# Altium PCB PCB_V2.2.PcbDoc
Units mil, origin at the board's own origin, x right, y up, seen from the top; angles counter-clockwise.
Board outline 2362.2 x 3149.61 mil, 2 copper layers (Top Layer, Bottom Layer); 72 components, 29 nets, 193 pads, 477 vias.
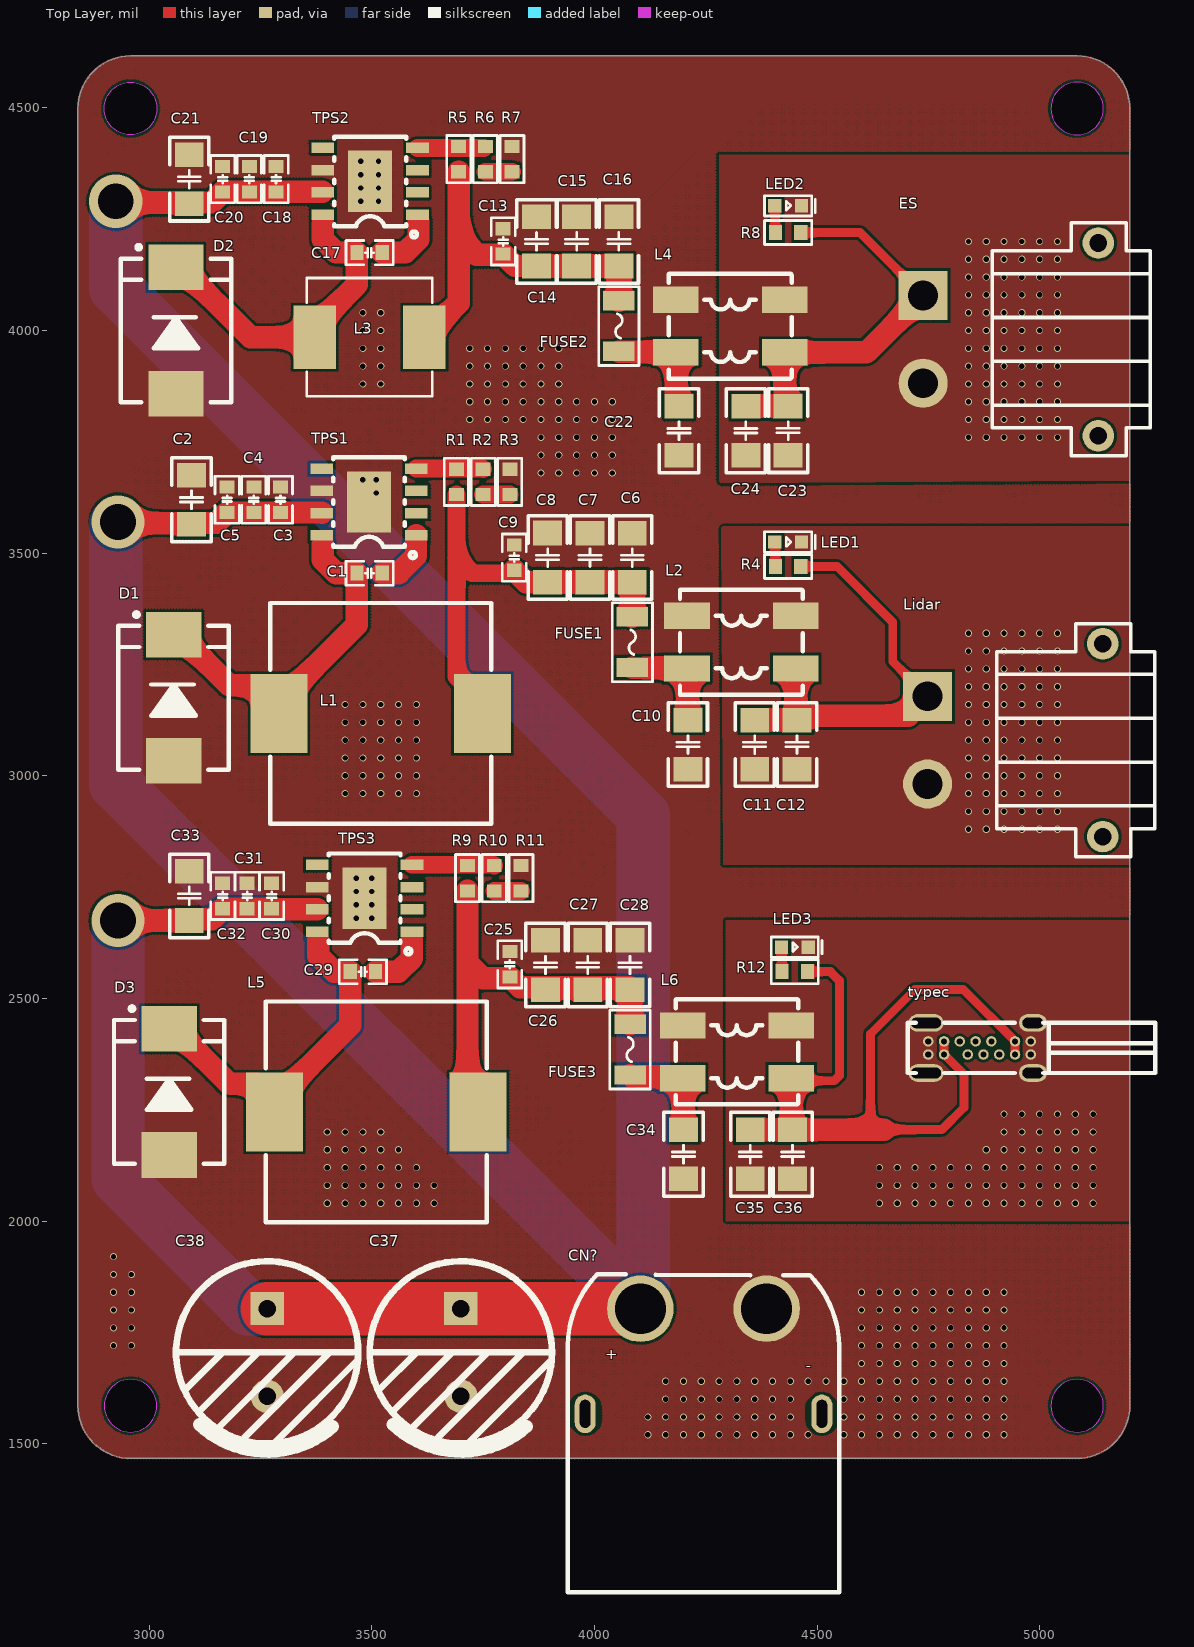
[diagram p0: Top Layer view]
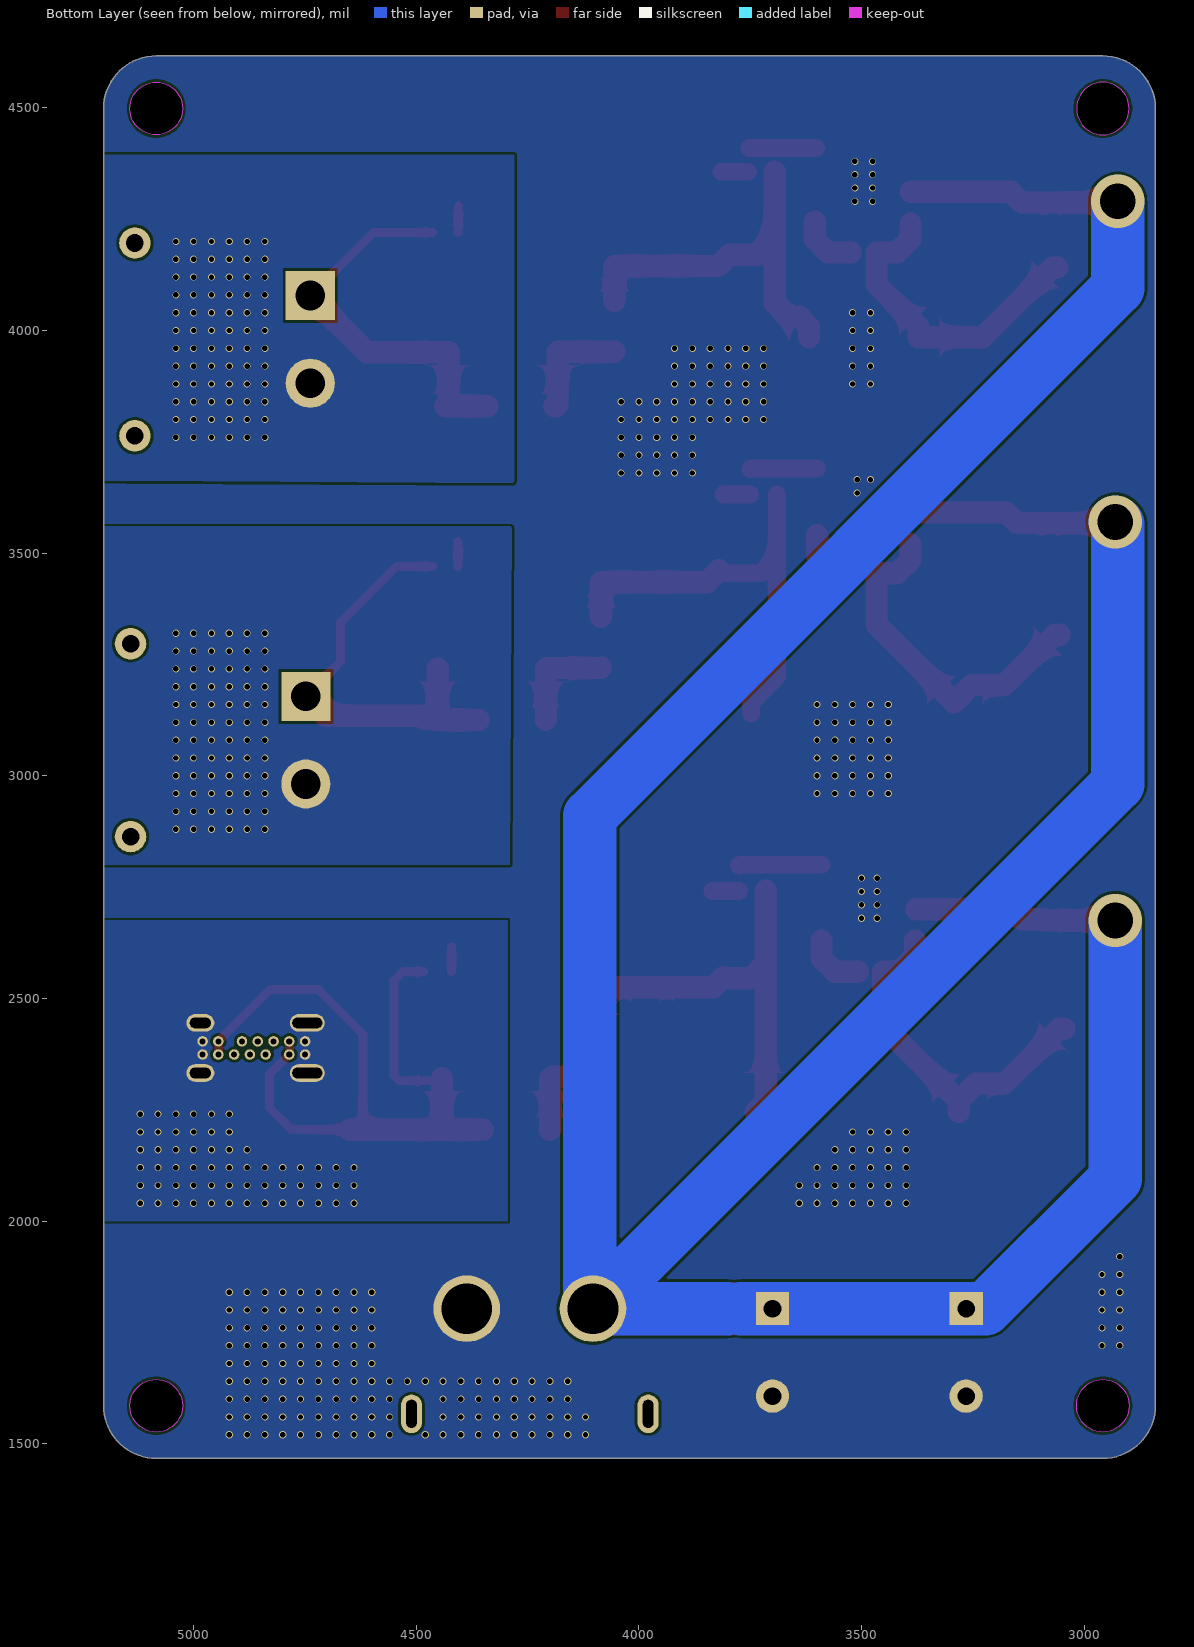
[diagram p1: Bottom Layer view, seen from below]

## Layer stack, top to bottom
Top Solder: solder mask 0.4, Solder Resist, Dk 3.5
Top Layer: signal copper 1.4
Dielectric 1: dielectric 12.6, FR-4, Dk 4.8
Bottom Layer: signal copper 1.4
Bottom Solder: solder mask 0.4, Solder Resist, Dk 3.5

## Board outline
2840.03,1585.15 2840.03,4498.54 cw(c2958.14,4498.54) 2958.15,4616.65 5084.13,4616.65 cw(c5084.13,4498.54) 5202.24,4498.54 5202.24,1585.15 cw(c5084.13,1585.15) 5084.13,1467.04 2958.14,1467.04 cw(c2958.14,1585.15)
cut-out: 5025.07,1585.15 ccw(c5084.13,1585.15) 5084.13,1526.09 ccw(c5084.13,1585.15) 5143.18,1585.15 ccw(c5084.13,1585.15) 5084.13,1644.2 ccw(c5084.13,1585.15)
cut-out: 2899.09,1585.15 ccw(c2958.14,1585.15) 2958.14,1526.09 ccw(c2958.14,1585.15) 3017.2,1585.15 ccw(c2958.14,1585.15) 2958.14,1644.2 ccw(c2958.14,1585.15)
cut-out: 5025.07,4498.54 ccw(c5084.13,4498.54) 5084.13,4439.48 ccw(c5084.13,4498.54) 5143.18,4498.54 ccw(c5084.13,4498.54) 5084.13,4557.59 ccw(c5084.13,4498.54)
cut-out: 2958.14,4439.48 cw(c2958.14,4498.54) 2899.09,4498.54 cw(c2958.14,4498.54) 2958.14,4557.59 cw(c2958.14,4498.54) 3017.2,4498.54 cw(c2958.14,4498.54)

## Design rules (kind name [scope] priority, off if disabled: settings)
Clearance [All] p1: gap=6 ignorepadtopadclearanceinfootprint=FALSE
PlaneConnect [All] p1: planeconnectstyle=Direct reliefexpansion=20 reliefentries=4 reliefconductorwidth=10 reliefairgap=10
PolygonConnect [All] p1: connectstyle=Direct reliefconductorwidth=10 reliefentries=4 polygonreliefangle="90 Angle" airgapwidth=10
RoutingVias [All] p1: holewidth=12 width=50 viastyle="Through Hole" minholewidth=12 minwidth=16 maxholewidth=80 maxwidth=120
SolderMaskExpansion [All] p1: expansion=4 istentingtop=FALSE
Width [All] p1: maxlimit=150 minlimit=10 preferedwidth=40
29 further rules are at their usual default settings.

## Components (designator, comment, footprint, x,y, rotation, side; value= is the part's Value field where it differs from the comment)
C1 "10nF" C0603_L 3495,3455 r0 top
C2 "100uF" C1206_L 3095,3620 r270 top
C3 "4.7uF" C0603_L 3295,3620 r270 top
C4 "4.7uF" C0603_L 3235,3620 r270 top
C5 "0.01uF" C0603_L 3175,3620 r270 top
C6 "100uF" C1206_L 4085,3490 r90 top
C7 "100uF" C1206_L 3990,3490 r90 top
C8 "100uF" C1206_L 3895,3490.12 r90 top
C9 "0.01uF" C0603_L 3820,3490 r90 top
C10 "10uF/25V/1206" C1206_L 4210,3070 r90 top
C11 "22uF/25V/1206" C1206_L 4360,3070 r90 top
C12 "22uF/25V/1206" C1206_L 4455,3070 r90 top
C13 "0.01uF" C0603_L 3795,4200 r90 top
C14 "100uF" C1206_L 3870,4200 r90 top
C15 "100uF" C1206_L 3960,4200 r90 top
C16 "100uF" C1206_L 4055,4200 r90 top
C17 "10nF" C0603_L 3495,4175 r0 top
C18 "0.01uF" C0603_L 3285,4340 r270 top
C19 "4.7uF" C0603_L 3225,4340 r270 top
C20 "4.7uF" C0603_L 3165,4340 r270 top
C21 "100uF" C1206_L 3090,4340 r270 top
C22 "10uF/25V/1206" C1206_L 4190,3775 r90 top
C23 "22uF/25V/1206" C1206_L 4435,3775.12 r90 top
C24 "22uF/25V/1206" C1206_L 4340,3775 r90 top
C25 "0.01uF" C0603_L 3810,2576.46 r90 top
C26 "100uF" C1206_L 3890,2575 r90 top
C27 "100uF" C1206_L 3985,2575 r90 top
C28 "100uF" C1206_L 4080,2575 r90 top
C29 "10nF" C0603_L 3480,2560 r0 top
C30 "0.01uF" C0603_L 3275,2730 r270 top
C31 "4.7uF" C0603_L 3220,2730 r270 top
C32 "4.7uF" C0603_L 3165,2730 r270 top
C33 "100uF" C1206_L 3090,2730 r270 top
C34 "10uF/25V/1206" C1206_L 4200,2150 r90 top
C35 "22uF/25V/1206" C1206_L 4350,2150 r90 top
C36 "22uF/25V/1206" C1206_L 4445,2149.88 r90 top
C37 "470uF" "CT 5.0*10*13 - V" 3700,1705 r90 top
C38 "470uF" "CT 5.0*10*13 - R" 3265,1705 r90 top
CN? "XT60PW-M" XT60PW-M2 4245,1685 r90 top
D1 "B560C/700mv/5A" SMC 3055,3175 r270 top
D2 "B560C/700mv/5A" SMC 3060,4000 r270 top
D3 "B560C/700mv/5A" SMC 3045,2290 r270 top
ES "XT30-M" XT30PW-M 4935,3980 r270 top
FUSE1 "2A" F1206 4085,3300 r90 top
FUSE2 "2A" F1206 4055,4010 r90 top
FUSE3 "2A" F1206 4080,2385 r90 top
L1 "33uH" SMD_L13.8-W12.6 3520,3140 r180 top
L2 "ACM7060" L-SMD 4330,3300 r90 top
L3 "33uH" SMD_L7.0-W6.6 3495,3985 r0 top
L4 "ACM7060" L-SMD 4305,4010 r90 top
L5 "33uH" SMD_L13.8-W12.6 3510,2245 r180 top
L6 "ACM7060" L-SMD 4320,2380 r90 top
LED1 "绿色" LED0603_G 4435,3525 r0 top
LED2 "绿色" LED0603_G 4435,4280 r0 top
LED3 "绿色" LED0603_G 4450,2615 r0 top
Lidar "XT30-M" XT30PW-M 4945,3080 r270 top
R1 "10KΩ" R0603_L 3690,3660 r270 top
R2 "1.13KΩ" R0603_L 3750,3660 r270 top
R3 "0Ω" R0603_L 3810,3660 r90 top
R4 "10KΩ" R0603_L 4435,3470 r180 top
R5 "10KΩ" R0603_L 3695,4385 r270 top
R6 "1.13KΩ" R0603_L 3755,4385 r270 top
R7 "0Ω" R0603_L 3815,4385 r90 top
R8 "10KΩ" R0603_L 4435,4220 r180 top
R9 "10KΩ" R0603_L 3715,2770 r270 top
R10 "3.16KΩ" R0603_L 3775,2770 r270 top
R11 "0Ω" R0603_L 3835,2770 r90 top
R12 "10KΩ" R0603_L 4450,2560 r180 top
TPS1 "TPS5430DDAR" ESOP-8_L4.9-W3.9-P1.27-LS6.0-TL-EP 3493.7,3615 r180 top
TPS2 "TPS5430DDAR" ESOP-8_L4.9-W3.9-P1.27-LS6.0-TL-EP 3496.3,4335 r180 top
TPS3 "TPS5430DDAR" ESOP-8_L4.9-W3.9-P1.27-LS6.0-TL-EP 3483.7,2725 r180 top
typec "U264-141N-4BAC10" USB-C-Type-侧插 4864.92,2388.71 r270 top

## Footprints (in the part's own frame and the unit in brackets; to place one, negate y for a bottom-side part, rotate by r counter-clockwise, add the part's x,y. Pads: shape width x height; smd on the part's side, far side on the other; paste and mask are expansions set on the pad)
C0603_L [mm] "贴片MLCC电容"
  rect 0.75x0.85 smd: 1(-0.725,0) 2(0.725,0)
  silkscreen extent -1.35,-0.69 1.35,0.69, body extent -0.8,-0.4 0.8,0.4, height 0.8
C1206_L [mm] "贴片MLCC电容"
  rect 1.4x1.65 smd: 1(-1.4,0) 2(1.4,0)
  silkscreen extent -2.39,-1.12 2.39,1.12, body extent -1.6,-0.8 1.6,0.8, height 1.1
"CT 5.0*10*13 - R" [mm] "脚距5mm , 直径10mm , 高13mm"
  rect 1.9x1.9 hole 1: 1(2.5,0)
  round 1.9 hole 1: 2(-2.5,0)
  silkscreen extent -5.64,-5.2 5.2,5.2, body extent -5,-4.99 5,4.99, height 13.05
"CT 5.0*10*13 - V" [mm] "脚距5mm , 直径10mm , 高13mm"
  rect 1.9x1.9 hole 1: 1(2.5,0)
  round 1.9 hole 1: 2(-2.5,0)
  silkscreen extent -5.64,-5.2 5.2,5.2, body extent -5,-4.99 5,4.99, height 13.05
ESOP-8_L4.9-W3.9-P1.27-LS6.0-TL-EP [mm]
  rect 1.3x0.6 smd: 1(-2.7,1.905) 2(-2.7,0.635) 3(-2.7,-0.635) 4(-2.7,-1.905) 5(2.7,-1.905) 6(2.7,-0.635) 7(2.7,0.635) 8(2.7,1.905)
  rect 2.5x3.5 smd: 9(0,0)
  silkscreen extent -2.67,-2.55 2.05,3.2
F1206 [mm] "1206贴片自恢复保险丝(PPTC)   联系卖家 免费查找封装"
  rect 1.1x1.8 smd: 1(-1.445,0) 2(1.445,0)
  silkscreen extent -2.25,-1.15 2.25,1.15, body extent -1.6,-0.85 1.6,0.85, height 0.61
L-SMD [mm]
  rect 1.501x2.6 smd: 1(-1.5,-3.1) 2(1.5,-3.1) 3(1.5,3.1) 4(-1.5,3.1)
  silkscreen extent -3,-3.5 3,3.5
LED0603_G [mil] "绿色LED"
  rect 30x30 smd: 1(-30,0) 2(30,0)
  silkscreen extent -53,-23 61,23, body extent -31,-16 31,16, height 24
R0603_L [mm] "1/10W贴片电阻"
  rect 0.75x0.85 smd: 1(-0.725,0) 2(0.725,0)
  silkscreen extent -1.35,-0.69 1.35,0.69, body extent -0.8,-0.4 0.8,0.4, height 0.4
SMC [mm] "7.1x5.9*2.3mm（长宽高，不包括引脚）"
  rect 2.6x3.15 smd: 1(3.6,0) 2(-3.6,0)
  silkscreen extent -4.87,-3.15 4.1,3.15, body extent -3.95,-2.9 3.95,2.9, height 2.4
SMD_L7.0-W6.6 [mm]
  rect 2.424x3.62 smd: 1(3.128,0) 2(-3.128,0)
  silkscreen extent -3.58,-3.38 3.58,3.38
SMD_L13.8-W12.6 [mm]
  rect 3.25x4.5 smd: 1(-5.8,0) 2(5.8,0)
  silkscreen extent -6.3,-6.3 6.3,6.3
USB-C-Type-侧插 [mm] "侧插typec"
  round 0.6 hole 0.35: 1(0.375,2.925) 2(0.375,2.025) 3(0.375,1.125) 4(0.375,0.225) 5(0.375,-0.675) 6(0.375,-2.025) 7(0.375,-2.925) 8(-0.375,-2.925) 9(-0.375,-2.025) 10(-0.375,-1.125) 11(-0.375,-0.225) 12(-0.375,0.675) 13(-0.375,2.025) 14(-0.375,2.925)
  oval 1x1.6 hole 0.6 slot 1.2 at 90 deg: 15(-1.43,3.05) 16(1.43,3.05)
  oval 1x2 hole 0.6 slot 1.7 at 90 deg: 17(-1.43,-3.05) 18(1.43,-3.05)
  silkscreen extent -1.43,-4.1 1.43,10.03
XT30PW-M [mm] "TH, 4-Leads, Body 13.95x13.3mm"
  rect 2.8x2.8 hole 1.7: 1(-2.5,-5)
  round 2.8 hole 1.7: 2(2.5,-5)
  round 1.8 hole 1: MP1(-5.5,5) MP2(5.5,5)
  silkscreen extent -6.65,-1.05 6.65,7.95, body extent -6.65,-6 6.65,7.95, height 5.05
XT60PW-M2 [mm]
  round 3.8 hole 2.9 paste+0 mask+0.05: 1(3,-3.6) 2(3,3.6)
  oval 2.2x1.2 hole 0.6 slot 1.6 at 0 deg paste+0 mask+0.05: 3(-3,6.75) 4(-3,-6.75)
  silkscreen extent -13.17,-7.75 4.96,7.75

## Part data
C1 C2 C3 C4 C5 C6 C7 C8 C9 C10 C11 C12 C13 C14 C15 C16 C17 C18 C19 C20 C21 C22 C23 C24 C25 C26 C27 C28 C29 C30 C31 C32 C33 C34 C35 C36: library part C, "贴片电容/MLCC电容", BOM名称=无极性贴片电容, 联系下单店铺卖家 免费帮你查找封装="联系下单店铺卖家 免费技术指导"
C37 C38: library part cap_polarity, "Electrolytic Capacitor"
CN?: Colour=黄色, contact resistance=-, JLCPCB Part Class="Extended Part", LCSC Part Name="AMASS(艾迈斯)航模插头xt60连接器150公母对接pw锂电池公头 板插卧式XT60PW-M", Manufacturer=AMASS(艾迈斯), Add into BOM=yes, Belt length=-, Brand=艾迈斯, Convert to PCB=yes, Datasheet=https://atta.szlcsc.com/upload/public/pdf/source/20240118/44A3DCFF53BE25DC65378AFFB21277A4.pdf, Device=XT60PW-M, FlameRetardantGrade=-, Input=-, InsulationMaterial=-, Interface=-, InterfaceType=公头, Manufacturer Part=XT60PW-M, MaximumCurrent=-, MetalMaterial=-, Model=XT60PW-M, NumberOfUSBHoles=-, Output=-, Power=-, RatedCurrent=-, RatedVoltage=-, RecommendedWireGauge=-, Size=-, specifications=-, Supplier=LCSC, Supplier Footprint=-, Supplier Part=C98732, Symbol=XT60PW-M, Type=卧式插头, Type1=-
D1 D2 D3: library part 稳压二极管, "Zener Diode", 当前库版本V2024.8.30，下一版本发布时间2024年10月份 @淘宝卖家:黄晶宝石=最新版本发布网址https://item.taobao.com/item.htm?id=566775463719
ES Lidar: "XT30公头", 当前库版本V2024.5.31，下一版本发布时间2024年8月份 @淘宝卖家:黄晶宝石=最新版本发布网址https://item.taobao.com/item.htm?id=566775463719
FUSE1 FUSE2 FUSE3: library part "FUSE 1808", "1808保险座", BOM名称=1808保险座, 当前库版本V2024.8.30，下一版本发布时间2024年10月份 @淘宝卖家:黄晶宝石=最新版本发布网址https://item.taobao.com/item.htm?id=566775463719
L1 L3 L5: library part L, "贴片小功率电感", BOM名称=小功率贴片电感, 联系下单店铺卖家 免费帮你查找封装="联系下单店铺卖家 免费技术指导"
L2 L4 L6: "共模电感"
LED1 LED2 LED3: library part LED, "贴片LED", BOM名称=贴片LED, 封装库来自淘宝卖家：黄晶宝石=其他店铺购入均为盗版封装库，无更新权益，请立即申请退款，本店现金奖励200~1000元
R1 R2 R3 R4 R5 R6 R7 R8 R9 R10 R11 R12: library part R, "贴片电阻", BOM名称=贴片电阻, 联系下单店铺卖家 免费帮你查找封装="联系下单店铺卖家 免费技术指导"
TPS1 TPS2 TPS3: Input Voltage=5.5V~36V, JLCPCB Part Class="Basic Part", LCSC Part Name="降压 3A 36V", Manufacturer=TI(德州仪器), Operating Temperature=-40℃~+125℃@(TJ), Output Current (Max)=3A, Output Voltage=1.221V~32.04V, Switching Frequency=500kHz, Add into BOM=yes, Convert to PCB=yes, Datasheet=https://www.ti.com/cn/lit/gpn/tps5430, Device=TPS5430DDAR, Function=降压型, Manufacturer Part=TPS5430DDAR, Number of Outputs=1, Output Type=可调, Supplier=LCSC, Supplier Footprint=SOIC-8-EP, Supplier Part=C9864, Switch tube (built-in/external)=内置, Symbol=TPS5430DDAR, Synchronous Rectification=否, Topology=降压式
typec: library part USB3.0-type-c-侧插, Current Rating - Power (Max)=3A, JLCPCB Part Class="Extended Part", LCSC Part Name="Type-C 母 侧插", Manufacturer="XKB Connectivity(中国星坤)", Operating Temperature Range=-40℃~+85℃, Soldering Temperature(Max)=235℃, Add into BOM=yes, Connector Type=Type-C, Contact Material=铜合金, Contact Plating=金, Convert to PCB=yes, Datasheet=https://atta.szlcsc.com/upload/public/pdf/source/20211011/3C526B1D157DB714A375BD92771BEA39.pdf, Device=U264-141N-4BAC10, Gender=母, Manufacturer Part=U264-141N-4BAC10, Mounting Style=侧插, Number of Contacts=14P, Number of Ports=1, Standard="USB 3.1", Supplier=LCSC, Supplier Footprint=插件, Supplier Part=C692526, Symbol=U264-141N-4BAC10

## Via types
v1: diameter 16, hole 12, Top Layer to Bottom Layer, tented both sides, 445 vias
v2: diameter 16, hole 12, Top Layer to Bottom Layer, 29 vias
v3: diameter 120, hole 80, Top Layer to Bottom Layer, 3 vias

## Nets (pads, with @x,y where several pads share a name; then routed paths per layer and width w, separated by ;. In a path a pad name is that pad's centre, name@x,y a point inside that pad or via, vN(x,y) a via of type N, cw(c..) or ccw(c..) an arc to the next point about the centre after c; other vN are vias at no path point)
EGND: C23.1 C24.1 ES.2 L4.2 LED2.2
  other v1: 4840,3760 4880,3760 4920,3760 4960,3760 5000,3760 5040,3760 4840,3800 4880,3800 4920,3800 4960,3800 5000,3800 5040,3800 4840,3840 4880,3840 4920,3840 4960,3840 5000,3840 5040,3840 4840,3880 4880,3880 4920,3880 4960,3880 5000,3880 5040,3880 4840,3920 4880,3920 4920,3920 4960,3920 5000,3920 5040,3920 4840,3960 4880,3960 4920,3960 4960,3960 5000,3960 5040,3960 4840,4000 4880,4000 4920,4000 4960,4000 5000,4000 5040,4000 4840,4040 4880,4040 4920,4040 4960,4040 5000,4040 5040,4040 4840,4080 4880,4080 4920,4080 4960,4080 5000,4080 5040,4080 4840,4120 4880,4120 4920,4120 4960,4120 5000,4120 5040,4120 4840,4160 4880,4160 4920,4160 4960,4160 5000,4160 5040,4160 4840,4200 4880,4200 4920,4200 4960,4200 5000,4200 5040,4200
LGND: C11.1 C12.1 L2.2 LED1.2 Lidar.2
  other v1: 4840,2880 4880,2880 4920,2880 4960,2880 5000,2880 5040,2880 4840,2920 4880,2920 4920,2920 4960,2920 5000,2920 5040,2920 4840,2960 4880,2960 4920,2960 4960,2960 5000,2960 5040,2960 4840,3000 4880,3000 4920,3000 4960,3000 5000,3000 5040,3000 4840,3040 4880,3040 4920,3040 4960,3040 5000,3040 5040,3040 4840,3080 4880,3080 4920,3080 4960,3080 5000,3080 5040,3080 4840,3120 4880,3120 4920,3120 4960,3120 5000,3120 5040,3120 4840,3160 4880,3160 4920,3160 4960,3160 5000,3160 5040,3160 4840,3200 4880,3200 4920,3200 4960,3200 5000,3200 5040,3200 4840,3240 4880,3240 4920,3240 4960,3240 5000,3240 5040,3240 4840,3280 4880,3280 4920,3280 4960,3280 5000,3280 5040,3280 4840,3320 4880,3320 4920,3320 4960,3320 5000,3320 5040,3320
MGND: C2.1 C3.1 C4.1 C5.1 C6.2 C7.2 C8.2 C9.2 C10.1 C13.2 C14.2 C15.2 C16.2 C18.1 C19.1 C20.1 C21.1 C22.1 C25.2 C26.2 C27.2 C28.2 C30.1 C31.1 C32.1 C33.1 C34.1 C37.2 C38.2 CN?.1 D1.1 D2.1 D3.1 L2.3 L4.3 L6.3 R3.2 R7.2 R11.2 TPS1.6 TPS1.9 TPS2.6 TPS2.9 TPS3.6 TPS3.9
  other v1: 4120,1520 4160,1520 4200,1520 4240,1520 4280,1520 4320,1520 4360,1520 4400,1520 4440,1520 4480,1520 4560,1520 4600,1520 4640,1520 4680,1520 4720,1520 4760,1520 4800,1520 4840,1520 4880,1520 4920,1520 4120,1560 4160,1560 4200,1560 4240,1560 4280,1560 4320,1560 4360,1560 4400,1560 4440,1560 4560,1560 4600,1560 4640,1560 4680,1560 4720,1560 4760,1560 4800,1560 4840,1560 4880,1560 4920,1560 4160,1600 4200,1600 4240,1600 4280,1600 4320,1600 4360,1600 4400,1600 4440,1600 4560,1600 4600,1600 4640,1600 4680,1600 4720,1600 4760,1600 4800,1600 4840,1600 4880,1600 4920,1600 4160,1640 4200,1640 4240,1640 4280,1640 4320,1640 4360,1640 4400,1640 4440,1640 4480,1640 4520,1640 4560,1640 4600,1640 4640,1640 4680,1640 4720,1640 4760,1640 4800,1640 4840,1640 4880,1640 4920,1640 4600,1680 4640,1680 4680,1680 4720,1680 4760,1680 4800,1680 4840,1680 4880,1680 4920,1680 2920,1720 2960,1720 4600,1720 4640,1720 4680,1720 4720,1720 4760,1720 4800,1720 4840,1720 4880,1720 4920,1720 2920,1760 2960,1760 4600,1760 4640,1760 4680,1760 4720,1760 4760,1760 4800,1760 4840,1760 4880,1760 4920,1760 2920,1800 2960,1800 4600,1800 4640,1800 4680,1800 4720,1800 4760,1800 4800,1800 4840,1800 4880,1800 4920,1800 2920,1840 2960,1840 4600,1840 4640,1840 4680,1840 4720,1840 4760,1840 4800,1840 4840,1840 4880,1840 4920,1840 2920,1880 2960,1880 2920,1920 3400,2040 3440,2040 3480,2040 3520,2040 3560,2040 3600,2040 3640,2040 3400,2080 3440,2080 3480,2080 3520,2080 3560,2080 3600,2080 3640,2080 3400,2120 3440,2120 3480,2120 3520,2120 3560,2120 3600,2120 3400,2160 3440,2160 3480,2160 3520,2160 3560,2160 3400,2200 3440,2200 3480,2200 3520,2200 3440,2960 3480,2960 3520,2960 3560,2960 3600,2960 3440,3000 3480,3000 3520,3000 3560,3000 3600,3000 3440,3040 3480,3040 3520,3040 3560,3040 3600,3040 3440,3080 3480,3080 3520,3080 3560,3080 3600,3080 3440,3120 3480,3120 3520,3120 3560,3120 3600,3120 3440,3160 3480,3160 3520,3160 3560,3160 3600,3160 3880,3680 3920,3680 3960,3680 4000,3680 4040,3680 3880,3720 3920,3720 3960,3720 4000,3720 4040,3720 3880,3760 3920,3760 3960,3760 4000,3760 4040,3760 3720,3800 3760,3800 3800,3800 3840,3800 3880,3800 3920,3800 3960,3800 4000,3800 4040,3800 3720,3840 3760,3840 3800,3840 3840,3840 3880,3840 3920,3840 3960,3840 4000,3840 4040,3840 3720,3880 3760,3880 3800,3880 3840,3880 3880,3880 3920,3880 3720,3920 3760,3920 3800,3920 3840,3920 3880,3920 3920,3920 3720,3960 3760,3960 3800,3960 3840,3960 3880,3960 3920,3960
  other v2: 3465,2680 3500,2680 3465,2710 3500,2710 3465,2740 3500,2740 3465,2770 3500,2770 3510,3635 3480,3665 3510,3665 3480,3880 3520,3880 3480,3920 3520,3920 3480,3960 3520,3960 3480,4000 3520,4000 3480,4040 3520,4040 3475,4290 3515,4290 3475,4320 3515,4320 3475,4350 3515,4350 3475,4380 3515,4380
NetC1_1: C1.1 D1.2 L1.2 TPS1.8 | length 786.3
  Top Layer w50: D1.2 3065.83,3316.73 3178.98,3203.58 3252.68,3203.58 3291.65,3164.61 3466.46,3339.41 C1.1 3420,3455 3390,3485 3390,3520
NetC1_2: C1.2 TPS1.1 | length 138.2
  Top Layer w50: C1.2 3560.36,3455 3599.41,3494.04 3599.41,3539.41 TPS1.1
NetC6_1: C6.1 C7.1 C8.1 C9.1 FUSE1.2 L1.1 R1.2 | length 1016.8
  Top Layer w40: R1.2 3690,3490 ; L1.1 3748.35,3164.61 3690,3222.95 3690,3490 ; C9.1 3813.54,3455 3725,3455 3690,3490
  Top Layer w50: C9.1 3846.57,3434.88 C7.1 C6.1 FUSE1.2
NetC10_2: C10.2 FUSE1.1 L2.4 | length 240.5
  Top Layer w50: FUSE1.1 4086.08,3242.03 4206.87,3242.03 L2.4 4208.98,3239.92 4208.98,3126.14 C10.2
NetC13_1: C13.1 C14.1 C15.1 C16.1 FUSE2.2 L3.1 R5.2 | length 883.2
  Top Layer w50: L3.1 3618.15,4008.54 3640.87,4031.26 3664.41,4031.26 3695,4061.85 3695,4210 ; R5.2 3695,4210 ; FUSE2.2 C16.1 C15.1 C14.1 3821.57,4144.88 C13.1 3793.54,4170 3735,4170 3695,4210
NetC17_1: C17.1 D2.2 L3.2 TPS2.8 | length 729.8
  Top Layer w50: D2.2 3070.83,4141.73 3227.56,3985 L3.2 3371.85,4008.54 3466.46,4103.15 C17.1 3420,4175 3390,4205 3390,4240
NetC17_2: C17.2 TPS2.1 | length 133.9
  Top Layer w50: C17.2 3575,4175 3605,4205 3605,4245
NetC22_2: C22.2 FUSE2.1 L4.4 | length 255.2
  Top Layer w50: FUSE2.1 4056.08,3952.03 4181.87,3952.03 L4.4 4182.95,3832.68 4185.51,3830.12 C22.2
NetC25_1: C25.1 C26.1 C27.1 C28.1 FUSE3.2 L5.1 R9.2 | length 974.3
  Top Layer w50: R9.2 3715,2580 ; L5.1 3715,2268.35 3715,2580 ; FUSE3.2 C28.1 ; C28.1@4080,2525 3832.91,2525 C25.1 3807.09,2545 3750,2545 3715,2580
NetC29_1: C29.1 D3.2 L5.2 TPS3.8 | length 810.1
  Top Layer w50: D3.2 3055.83,2431.73 3178.98,2308.58 3242.68,2308.58 L5.2@3281.65,2269.61 ; L5.2 L5.2@3281.65,2269.61 ; 3380,2630 3380,2595 3415,2560 C29.1 3451.46,2439.41 L5.2@3281.65,2269.61
NetC29_2: C29.2 TPS3.1 | length 133.9
  Top Layer w50: C29.2 3560,2560 3590,2590 3590,2630
NetC34_2: C34.2 FUSE3.1 L6.4 | length 237.6
  Top Layer w50: FUSE3.1 4083.35,2324.76 4194.13,2324.76 L6.4 4198.98,2319.92 4198.98,2206.14 C34.2
NetLED1_1: LED1.1 R4.2 | length 58.5
  Top Layer w10: LED1.1 LED1.1@4406.46,3526.46
  Top Layer w20: R4.2 LED1.1@4406.46,3526.46
NetLED2_1: LED2.1 R8.2 | length 60.6
  Top Layer w20: LED2.1 4405.73,4279.27 4405.73,4220.73 R8.2
NetLED3_1: LED3.1 R12.2 | length 55.6
  Top Layer w20: LED3.1 4420.73,2614.27 4420.73,2560.73 R12.2
NetR1_1: R1.1 R2.1 TPS1.4 | length 150.6
  Top Layer w40: TPS1.4 3748.54,3690 R2.1
NetR2_2: R2.2 R3.1 | length 60
  Top Layer w40: R2.2 R3.1
NetR5_1: R5.1 R6.1 TPS2.4 | length 148.9
  Top Layer w40: TPS2.4 R6.1@3751.46,4410
NetR6_2: R6.2 R7.1 | length 60
  Top Layer w40: R6.2 R7.1
NetR9_1: R9.1 R10.1 TPS3.4 | length 185.6
  Top Layer w40: TPS3.4 3773.54,2800 R10.1
NetR10_2: R10.2 R11.1 | length 60
  Top Layer w40: R10.2 R11.1
OGND: C35.1 C36.1 L6.2 LED3.2 typec.1 typec.7 typec.8 typec.14 typec.15 typec.16 typec.17 typec.18
  other v1: 4640,2040 4680,2040 4720,2040 4760,2040 4800,2040 4840,2040 4880,2040 4920,2040 4960,2040 5000,2040 5040,2040 5080,2040 5120,2040 4640,2080 4680,2080 4720,2080 4760,2080 4800,2080 4840,2080 4880,2080 4920,2080 4960,2080 5000,2080 5040,2080 5080,2080 5120,2080 4640,2120 4680,2120 4720,2120 4760,2120 4800,2120 4840,2120 4880,2120 4920,2120 4960,2120 5000,2120 5040,2120 5080,2120 5120,2120 4880,2160 4920,2160 4960,2160 5000,2160 5040,2160 5080,2160 5120,2160 4920,2200 4960,2200 5000,2200 5040,2200 5080,2200 5120,2200 4920,2240 4960,2240 5000,2240 5040,2240 5080,2240 5120,2240
VCC_5V_OP: C35.2 C36.2 L6.1 R12.1 typec.2 typec.6 typec.9 typec.13 | length 1843.3
  Top Layer w20: L6.1 4447.99,2315 4538.28,2315 4550,2326.72 4550,2540 4530,2560 R12.1@4483.31,2560 ; 4620,2205.12 4620,2420 4720,2520 4828.12,2520 4944.65,2403.47 typec.2 ; 4650.12,2205.12 4780.12,2205.12 4830,2255 4830,2329.14 typec.6 typec.9
  Top Layer w50: C35.2 4350.06,2205.06 4444.94,2205.06 C36.2 ; C36.2@4442.05,2207.56 L6.1 ; C36.2@4445.12,2205.12 4620,2205.12 4650.12,2205.12
VCC_12V_ES: C23.2 C24.2 ES.1 L4.1 R8.1 | length 919.1
  Top Layer w20: R8.1 4596.57,4220 ES.1
  Top Layer w50: C24.2 4340.06,3830.18 4434.94,3830.18 C23.2 4430.08,3830.24 4427.05,3833.26 L4.1 4610.67,3950.95 ES.1
VCC_12V_LD: C11.2 C12.2 L2.1 Lidar.1 R4.1 | length 980.3
  Top Layer w20: R4.1 4545,3470 4670,3345 4670,3256.57 Lidar.1
  Top Layer w50: C11.2 C12.2@4454.61,3125.12 ; C12.2@4452.05,3127.68 L2.1 ; C12.2 4459.92,3125.12 4462.48,3127.68 4482.24,3127.68 4489.57,3135 4704.72,3135 Lidar.1
VCC_24V_IN: C2.2 C3.2 C4.2 C5.2 C18.2 C19.2 C20.2 C21.2 C30.2 C31.2 C32.2 C33.2 C37.1 C38.1 CN?.2 TPS1.7 TPS2.7 TPS3.7 | length 9323.2
  Top Layer w50: v3(2925,4290) 2927.56,4287.44 3087.44,4287.44 C21.2 3092.56,4287.44 3140.98,4287.44 C20.2 C19.2 C18.2 TPS2.7@3389.41,4311.46 ; v3(2930,2675) 3082.52,2675 3082.64,2674.88 C33.2 3092.56,2677.44 3140.98,2677.44 C32.2 C31.2 C30.2 ; v3(2930,3570) 2932.56,3567.44 3092.44,3567.44 C2.2 3097.56,3567.44 3150.98,3567.44 C5.2 C4.2 C3.2 3386.82,3591.46 3387.41,3590.87 TPS1.7 ; C30.2@3276.46,2700 TPS3.7
  Top Layer w120: C38.1@3265.31,1803.11 C37.1@3699.69,1803.11 ; C37.1@3700.31,1803.12 CN?.2
  Bottom Layer w120: v3(2925,4290) 2925,4095 4110,2910 4110,1830.79 4108.92,1829.72 4108.92,1808.77 CN?.2 ; v3(2930,2675) 2930,2095 3221.57,1803.43 C38.1 C37.1 3770,1803.43 ; v3(2930,3570) 2925,3565 2925,2981.38 CN?.2 ; 3801.89,1803.12 CN?.2
pads on no net: CN?.3 CN?.4 ES.MP1 ES.MP2 Lidar.MP1 Lidar.MP2 TPS1.2 TPS1.3 TPS1.5 TPS2.2 TPS2.3 TPS2.5 TPS3.2 TPS3.3 TPS3.5 typec.3 typec.4 typec.5 typec.10 typec.11 typec.12

## Polygon pours and split planes (outlines as drawn)
MGND on Top Layer "MGND_L01_P007" (hatched 45Degree grid 5 track 5, remove dead copper, pour order 7): 2840.03,1585.15 2840.03,4498.54 cw(c2958.14,4498.54) 2958.15,4616.65 5084.13,4616.65 cw(c5084.13,4498.54) 5202.24,4498.54 5202.24,1585.15 cw(c5084.13,1585.15) 5084.13,1467.04 2958.14,1467.04 cw(c2958.14,1585.15)
OGND on Top Layer "NONET_L-01_P-001" (solid, remove dead copper, pour order 3): 5200,2675 5200,2000 4295,2000 4295,2675
LGND on Top Layer "NONET_L-01_P-001" (solid, remove dead copper, pour order 2): 4285.16,3560 5202.24,3560 5202.24,2800 4289.88,2800
EGND on Top Layer "NONET_L-01_P-001" (solid, remove dead copper, pour order 0): 4280,4395 4280,3657.38 5152.85,3662.15 5200,3662.15 5200,4395
MGND on Bottom Layer "MGND_L02_P008" (solid, remove dead copper, pour order 8): 2840.03,1585.15 2840.03,4498.54 cw(c2958.14,4498.54) 2958.15,4616.65 5084.13,4616.65 cw(c5084.13,4498.54) 5202.24,4498.54 5202.24,1585.15 cw(c5084.13,1585.15) 5084.13,1467.04 2958.14,1467.04 cw(c2958.14,1585.15)
OGND on Bottom Layer "OGND_L02_P006" (solid, remove dead copper, pour order 6): 5200,2675 5200,2000 4295,2000 4295,2675
LGND on Bottom Layer "LGND_L02_P005" (solid, remove dead copper, pour order 5): 4285.16,3560 5202.24,3560 5202.24,2800 4289.88,2800
EGND on Bottom Layer "EGND_L02_P004" (solid, remove dead copper, pour order 4): 4280,4395 4280,3657.38 5152.85,3662.15 5200,3662.15 5200,4395

## Silkscreen, mask and mechanical layers (free items; w line width, h text height)
Mechanical 1:
  circle w0.5: c5084.13,1585.15 r59.06
  circle w0.5: c2958.14,1585.15 r59.06
  circle w0.5: c2958.14,4498.54 r59.06
  circle w0.5: c5084.13,4498.54 r59.06
  lines w0.5: 2840.03,1585.15 ccw(c2958.14,1585.15) 2958.14,1467.04 5084.13,1467.04 ccw(c5084.13,1585.15) 5202.24,1585.15 5202.24,4498.54 ccw(c5084.13,4498.54) 5084.13,4616.65 2958.14,4616.65 ccw(c2958.14,4498.54) 2840.03,4498.54 2840.03,1585.15

## Text inside footprints (layer, text, board x,y; h text height)
CN?: Top Overlay "-" at 4487,1681.4 h25 r180; Top Overlay "+" at 4052,1709.73 h25 r180